# KiCad board pmi_2023.kicad_pcb
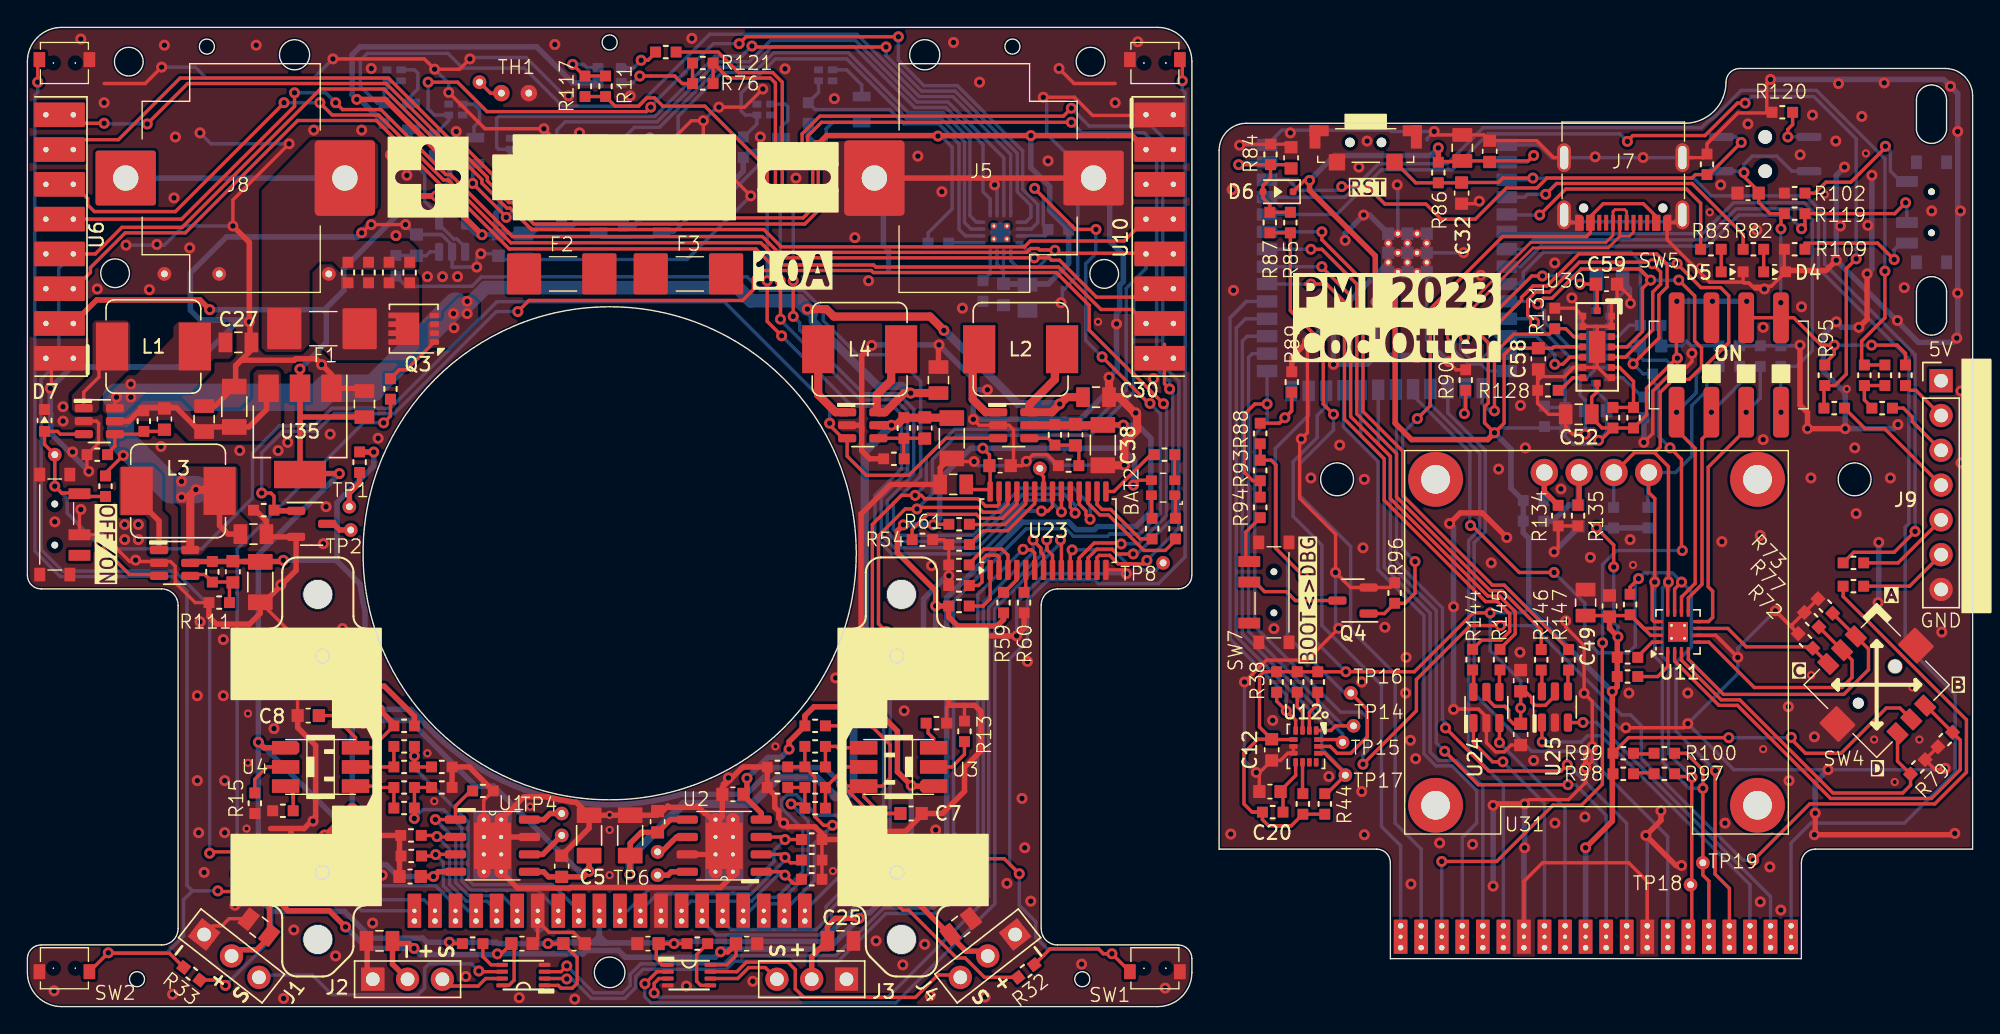
[diagram p0: board, top side]
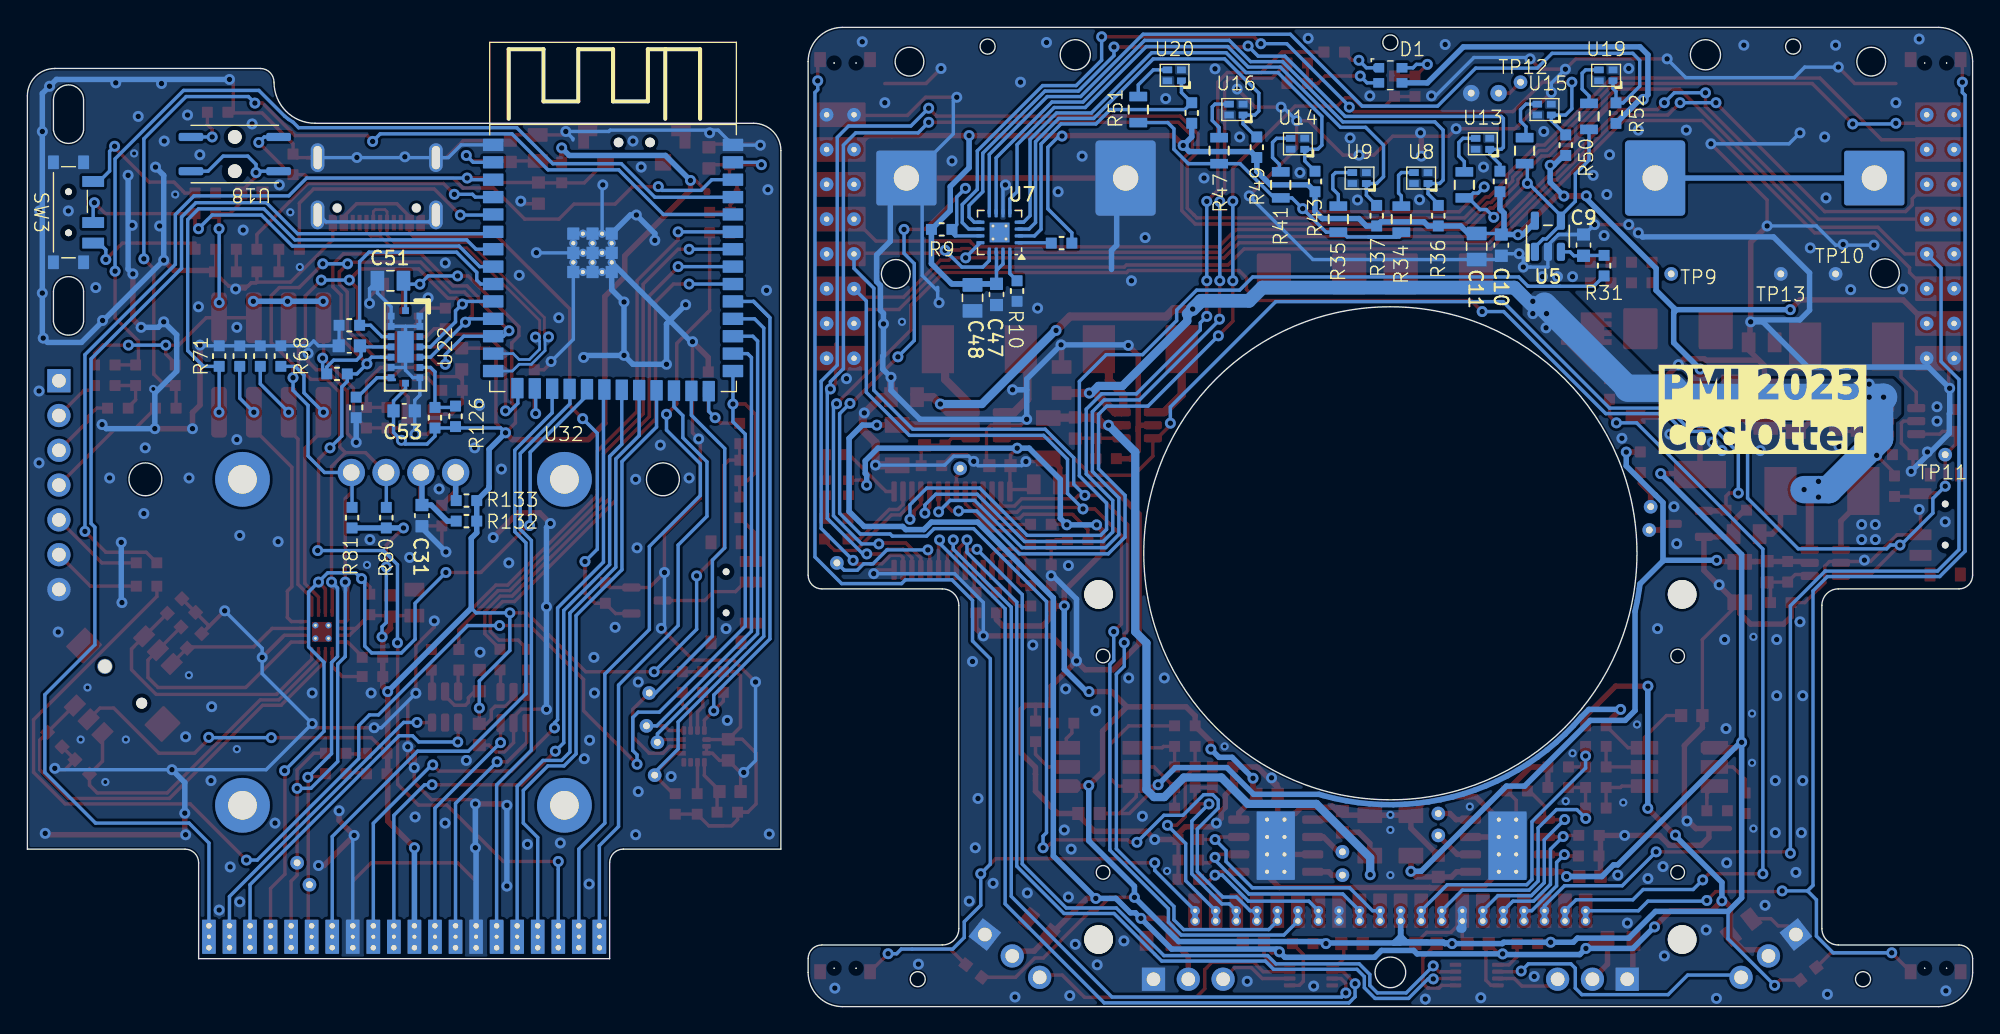
[diagram p1: board, bottom side, seen from below]

Outline 141.99 x 71.5 mm; copper layers: Top, Bottom. Coordinates in mm from the lower left corner of the outline.
Outline path: circle c6.4,53.55 r1.05 ; circle c7.4,69 r1.05 ; circle c8,2 r0.55 ; circle c13.1,70.1 r0.55 ; circle c19.5,69.5 r1.1 ; circle c21.53,25.6 r0.5 ; circle c21.53,9.8 r0.5 ; circle c42.5,70.4 r0.55 ; circle c42.5,33.1 r18 ; circle c42.5,2.5 r1.12 ; circle c63.47,25.6 r0.5 ; circle c63.47,9.8 r0.5 ; circle c65.5,69.5 r1.1 ; circle c71.9,70.1 r0.55 ; circle c77,2 r0.55 ; circle c77.6,69 r1.05 ; circle c78.6,53.5 r1.05 ; circle c95.6,38.5 r1.2 ; circle c133.38,38.5 r1.2 ; 0,69 arc(0.73,70.77) 2.5,71.5 82.5,71.5 arc(84.27,70.77) 85,69 85,31.5 arc(84.71,30.79) 84,30.5 75.2,30.5 arc(74.35,30.15) 74,29.3 74,5.7 arc(74.35,4.85) 75.2,4.5 84,4.5 arc(84.71,4.21) 85,3.5 85,2.5 arc(84.27,0.73) 82.5,0 2.5,0 arc(0.73,0.73) 0,2.5 0,3.5 arc(0.29,4.21) 1,4.5 9.8,4.5 arc(10.65,4.85) 11,5.7 11,29.3 arc(10.65,30.15) 9.8,30.5 1,30.5 arc(0.29,30.79) 0,31.5 0,69 ; 86.99,62.5 arc(87.57,63.91) 88.99,64.5 120.99,64.5 arc(123.11,65.38) 123.99,67.5 arc(124.28,68.21) 124.99,68.5 139.99,68.5 arc(141.4,67.91) 141.99,66.5 141.99,11.5 130.49,11.5 arc(129.78,11.21) 129.49,10.5 129.49,3.5 99.49,3.5 99.49,10.5 arc(99.2,11.21) 98.49,11.5 86.99,11.5 86.99,62.5 ; 137.89,66.2 137.89,64 arc(138.99,63.03) 140.09,64 140.09,66.2 arc(138.99,67.3) 137.89,66.2 ; 137.89,52.2 137.89,50 arc(138.99,49.03) 140.09,50 140.09,52.2 arc(138.99,53.3) 137.89,52.2
Stack: Top 0.035mm / dielectric 1.51mm FR4 er 4.5 / Bottom 0.035mm

## Placement (name value [footprint] x y rotation side)
BAT2  -  [NH-B2020RGBA-HF]  82.9 37.89 180 top
C1  100nF 50V  [C_0603_1608Metric]  27.94 9.5 180 top
C2  100nF 50V  [C_0603_1608Metric]  51.5 15.5 180 top
C3  100nF 50V  [C_0603_1608Metric]  39 10.25 90 top
C4  100nF 50V  [C_0603_1608Metric]  46 13.5 90 top
C5  47µF 10V  [C_1206_3216Metric]  41 12.5 90 top
C6  47µF 10V  [C_1206_3216Metric]  44 12.5 90 top
C7  100nF 50V  [C_0603_1608Metric]  64.5 14.1 0 top
C8  100nF 50V  [C_0603_1608Metric]  20.5 21.25 180 top
C9  100nF 50V  [C_0603_1608Metric]  28.4 55.6 90 bottom
C10  100nF 50V  [C_0603_1608Metric]  34.4 55.6 270 bottom
C11  10µF 25V  [C_0805_2012Metric]  36.2 55.5 270 bottom
C12  100nF 50V  [C_0603_1608Metric]  90.83 18.75 270 top
C13  100nF 50V  [C_0603_1608Metric]  71 39.5 0 top
C14  10µF 25V  [C_0805_2012Metric]  67.58 38.13 180 top
C15  100nF 50V  [C_0603_1608Metric]  39.9 4.6 0 top
C16  100nF 50V  [C_0603_1608Metric]  109 23.8 90 top
C17  100nF 50V  [C_0603_1608Metric]  45.3 4.6 180 top
C18  100nF 50V  [C_0603_1608Metric]  109 19.88 270 top
C19  100nF 50V  [C_0603_1608Metric]  36.1 4.6 0 top
C20  100nF 50V  [C_0603_1608Metric]  90.7 15.7 180 top
C21  100nF 50V  [C_0603_1608Metric]  52.5 4.6 0 top
C23  10µF 25V  [C_0805_2012Metric]  16.9 5.8 142 top
C24  10µF 25V  [C_0805_2012Metric]  25.7 4.8 180 top
C25  10µF 25V  [C_0805_2012Metric]  59.35 4.8 0 top
C26  10µF 25V  [C_0805_2012Metric]  68.12 5.85 38 top
C27  10µF 25V  [C_0805_2012Metric]  15.4 48.5 0 top
C28  100nF 50V  [C_0603_1608Metric]  125.6 59.4 180 top
C29  2nF 50V  [C_0603_1608Metric]  10 42.9 270 top
C30  10µF 25V  [C_0805_2012Metric]  78 44.5 0 top
C31  100nF 50V  [C_0603_1608Metric]  113.19 35.85 270 bottom
C32  100nF 50V  [C_0603_1608Metric]  104.69 59.4 270 top
C33  100nF 50V  [C_0603_1608Metric]  92.24 61.97 90 top
C34  100nF 50V  [C_0603_1608Metric]  106.74 62.45 90 top
C35  10µF 25V  [C_0805_2012Metric]  104.74 62.7 90 top
C36  47µF 10V  [C_1206_3216Metric]  15.1 43.8 90 top
C37  2nF 50V  [C_0603_1608Metric]  76.5 41.75 270 top
C38  47µF 10V  [C_1206_3216Metric]  78.5 41 270 top
C39  10µF 25V  [C_0805_2012Metric]  16.5 34.5 0 top
C40  10µF 25V  [C_0805_2012Metric]  66.5 45.75 90 top
C41  2nF 50V  [C_0603_1608Metric]  15 31.75 270 top
C42  2nF 50V  [C_0603_1608Metric]  65.5 42.25 270 top
C43  47µF 10V  [C_1206_3216Metric]  17 31 270 top
C44  47µF 10V  [C_1206_3216Metric]  67.47 41.5 270 top
C45  10µF 25V  [C_0805_2012Metric]  12.9 42.9 90 top
C46  10µF 25V  [C_0805_2012Metric]  24.6 44 90 top
C47  100nF 50V  [C_0603_1608Metric]  71.25 52 270 bottom
C48  10µF 25V  [C_0805_2012Metric]  73 51.75 270 bottom
C49  10µF 25V  [C_0805_2012Metric]  113.74 29.5 90 top
C50  100nF 50V  [C_0603_1608Metric]  115.49 29.25 90 top
C51  10µF 25V  [C_0805_2012Metric]  115.49 53 0 bottom
C52  10µF 25V  [C_0805_2012Metric]  113.24 43.25 180 top
C53  100nF 50V  [C_0603_1608Metric]  114.49 43.5 180 bottom
C57  100nF 50V  [C_0603_1608Metric]  118.49 48.25 0 bottom
C58  100nF 50V  [C_0603_1608Metric]  110.29 47.3 270 top
C59  100nF 50V  [C_0603_1608Metric]  115.26 52.75 0 top
D1  -  [NH-B2020RGBA-HF]  42.5 68 180 bottom
D4  green, 0603  [LED_0603_1608Metric]  127.54 53.65 180 top
D5  green, 0603  [LED_0603_1608Metric]  124.44 53.65 180 top
D6  1N5819WS  [D_SOD-323F]  91.29 59.5 180 top
D7  green, 0603  [LED_0603_1608Metric]  1.25 42.8 270 top
F1  10A F  [JFC2410]  21.5 49.5 0 top
F2  10A F  [JFC2410]  39 53.5 0 top
F3  10A F  [JFC2410]  48.25 53.5 0 top
H1  MountingHole  [MountingHole_2.1mm]  21.2 30.1 0 top
H2  MountingHole  [MountingHole_2.1mm]  21.2 4.9 0 top
H3  MountingHole  [MountingHole_2.1mm]  63.8 30.1 0 top
H4  MountingHole  [MountingHole_2.1mm]  63.8 4.9 0 top
J1  con_servo  [ana_servo_5V]  14.9 3.7 52 top
J2  con_servo  [ana_servo_5V]  27.75 2 90 top
J3  con_servo  [ana_servo_5V]  57.25 2 270 top
J4  con_servo  [ana_servo_5V]  70.1 3.7 308 top
J5  -  [254]  69.62 60.5 0 top
J7  USB4105-GF-A-060  [USB4105]  116.49 64.59 180 top
J8  -  [254]  15.38 60.5 180 top
J9  ~  [eps32_uart_programmer]  139.69 45.7 0 top  (not fitted)
J49  ~  [pmi_2023_interconnection_top]  114.49 5.1 0 top  (not fitted)
J50  ~  [pmi_2023_interconnection]  42.5 7 0 top  (not fitted)
L1  2.2µH  [L_Kyocera_07A7_7.3x6.6mm]  9.2 48.2 180 top
L2  2.2µH  [L_Kyocera_07A7_7.3x6.6mm]  72.5 48 180 top
L3  2.2µH  [L_Kyocera_07A7_7.3x6.6mm]  11 37.65 180 top
L4  2.2µH  [L_Kyocera_07A7_7.3x6.6mm]  60.75 48 180 top
Q1  SI2310  [SOT-23-3]  20.75 35.25 0 top
Q3  DMP2008UFG-7  [Diodes_PowerDI3333-8]  28.2 49.5 180 top
Q4  SI2310  [SOT-23-3]  96.76 29.65 180 top
R1  91k 1%  [r0603_reflow]  28 12.5 180 top
R2  91k 1%  [r0603_reflow]  57.25 10.7 0 top
R3  91k 1%  [r0603_reflow]  28.02 11 180 top
R4  91k 1%  [r0603_reflow]  57.25 12.2 0 top
R5  91k 1%  [r0603_reflow]  17.25 36.25 180 top
R6  3k3 1%  [r0603_reflow]  57.25 9.3 0 top
R7  3k3 1%  [r0603_reflow]  33.25 15.75 0 top
R8  0R  [r0603_reflow]  24.25 39.75 90 top
R9  91k 1%  [r0603_reflow]  75.25 56.75 180 bottom
R10  0R  [r0603_reflow]  69.75 52.25 270 bottom
R11  100R  [r0603_reflow]  42.2 67.2 90 top
R12  91k 1%  [r0603_reflow]  66.5 55.75 0 bottom
R13  390R 1%  [r0603_reflow]  68.4 20.1 90 top
R14  470R 1%  [r0603_reflow]  66.35 20.7 0 top
R15  390R 1%  [r0603_reflow]  16.6 14.85 270 top
R16  470R 1%  [r0603_reflow]  18.65 14.3 180 top
R17  0R  [r0603_reflow]  57.5 16 180 top
R18  1k3 1%  [r0603_reflow]  54.75 16 180 top
R19  1k 1%  [r0603_reflow]  57.5 14.49 180 top  (not fitted)
R20  0R  [r0603_reflow]  27.5 19 0 top
R21  1k3 1%  [r0603_reflow]  30.25 17.5 0 top
R22  0R  [r0603_reflow]  57.5 17.5 180 top
R23  1k3 1%  [r0603_reflow]  54.75 17.5 180 top
R24  1k 1%  [r0603_reflow]  27.5 17.5 0 top  (not fitted)
R25  1k 1%  [r0603_reflow]  57.5 19 180 top  (not fitted)
R26  0R  [r0603_reflow]  27.5 16 0 top
R27  1k3 1%  [r0603_reflow]  30.25 16 0 top
R28  1k 1%  [r0603_reflow]  27.5 14.5 0 top  (not fitted)
R29  0R  [r0603_reflow]  27.5 20.5 0 top  (not fitted)
R30  0R  [r0603_reflow]  57.5 20.5 180 top
R31  91k 1%  [r0603_reflow]  26.9 54.1 90 bottom
R32  91k 1%  [r0603_reflow]  72.9 2.6 38 top
R33  91k 1%  [r0603_reflow]  12 2.4 142 top
R34  150R 1%  [r0805_reflow]  41.7 57.5 90 bottom
R35  150R 1%  [r0805_reflow]  46.3 57.5 90 bottom
R36  27k 1%  [r0603_reflow]  39 57.75 90 bottom
R37  27k 1%  [r0603_reflow]  43.5 57.75 90 bottom
R38  91k 1%  [r0603_reflow]  91.19 23.7 270 top
R39  91k 1%  [r0603_reflow]  93.1 14.8 90 top
R40  150R 1%  [r0805_reflow]  37.1 60 90 bottom
R41  150R 1%  [r0805_reflow]  50.5 60 90 bottom
R42  27k 1%  [r0603_reflow]  34.5 60.25 90 bottom
R43  27k 1%  [r0603_reflow]  48 60.25 90 bottom
R44  91k 1%  [r0603_reflow]  94.7 14.8 90 top
R45  91k 1%  [r0603_reflow]  92.69 23.7 270 top
R46  150R 1%  [r0805_reflow]  32.7 62.5 90 bottom
R47  150R 1%  [r0805_reflow]  55 62.5 90 bottom
R48  27k 1%  [r0603_reflow]  29.7 62.9 90 bottom
R49  27k 1%  [r0603_reflow]  52.25 62.75 90 bottom
R50  150R 1%  [r0805_reflow]  28 65 90 bottom
R51  150R 1%  [r0805_reflow]  60.9 65.5 90 bottom
R52  27k 1%  [r0603_reflow]  26.03 65.24 90 bottom
R53  27k 1%  [r0603_reflow]  57 65.25 90 bottom
R54  0R  [r0603_reflow]  65.33 34.09 0 top
R55  0R  [r0603_reflow]  68.01 33.74 180 top
R56  0R  [r0603_reflow]  68 30.75 180 top
R57  0R  [r0603_reflow]  68 29.25 0 top
R58  0R  [r0603_reflow]  68 32.25 180 top
R59  0R  [r0603_reflow]  71.25 29.5 90 top
R60  0R  [r0603_reflow]  72.75 29.5 270 top
R61  0R  [r0603_reflow]  68.01 35.22 0 top
R62  100R  [r0603_reflow]  82.1 34.9 270 top
R63  100R  [r0603_reflow]  83 40.3 180 top
R64  390R 1%  [r0603_reflow]  83.8 34.9 270 top
R65  0R  [r0603_reflow]  26.5 45.1 270 top
R66  68k 1%  [r0603_reflow]  8.5 42.75 270 top
R67  91k 1%  [r0603_reflow]  75 41.75 270 top
R68  91k 1%  [r0603_reflow]  123.49 47.5 90 bottom
R69  91k 1%  [r0603_reflow]  124.99 47.5 90 bottom
R70  91k 1%  [r0603_reflow]  126.49 47.5 90 bottom
R71  91k 1%  [r0603_reflow]  127.99 47.5 90 bottom
R72  91k 1%  [r0603_reflow]  129.79 26.7 135 top
R73  91k 1%  [r0603_reflow]  131.24 29.25 135 top
R74  100R  [r0603_reflow]  46.6 69.7 180 top
R76  100R  [r0603_reflow]  49.3 67.4 180 top
R77  91k 1%  [r0603_reflow]  130.24 28.25 135 top
R78  91k 1%  [r0603_reflow]  139.99 19.5 225 top
R79  91k 1%  [r0603_reflow]  137.99 17.5 45 top
R80  1k 1%  [r0603_reflow]  115.79 35.7 90 bottom  (not fitted)
R81  1k 1%  [r0603_reflow]  118.29 35.7 90 bottom  (not fitted)
R82  1k 1%  [r0603_reflow]  125.99 55.3 0 top
R83  1k 1%  [r0603_reflow]  122.89 55.3 0 top
R84  91k 1%  [r0603_reflow]  90.74 62.22 270 top
R85  91k 1%  [r0603_reflow]  92.19 57.25 270 top  (not fitted)
R86  91k 1%  [r0603_reflow]  102.99 60.9 270 top
R87  91k 1%  [r0603_reflow]  90.69 57.25 270 top
R88  91k 1%  [r0603_reflow]  89.99 41.85 90 top  (not fitted)
R89  91k 1%  [r0603_reflow]  92.29 45.6 90 top
R90  91k 1%  [r0603_reflow]  104.99 45.75 90 top
R91  1k 1%  [r0603_reflow]  134.09 46.1 270 top
R92  1k 1%  [r0603_reflow]  135.59 46.1 270 top
R93  91k 1%  [r0603_reflow]  89.99 39.15 270 top
R94  10k 1%  [r0603_reflow]  89.99 36.45 270 top
R95  91k 1%  [r0603_reflow]  131.2 46.1 270 top
R96  91k 1%  [r0603_reflow]  99.8 30.2 90 top
R97  1k 1%  [r0603_reflow]  119.49 17 0 top
R98  1k 1%  [r0603_reflow]  116.49 17 0 top
R99  1k 1%  [r0603_reflow]  116.49 18.5 0 top
R100  1k 1%  [r0603_reflow]  119.49 18.5 0 top
R101  91k 1%  [r0603_reflow]  94.19 23.7 270 top
R102  0R  [r0603_reflow]  129 59.4 180 top  (not fitted)
R103  0R  [r0603_reflow]  26.4 53.6 270 top  (not fitted)
R104  0R  [r0603_reflow]  23.4 53.6 270 top  (not fitted)
R105  0R  [r0603_reflow]  27.9 53.6 270 top  (not fitted)
R106  0R  [r0603_reflow]  24.9 53.6 270 top  (not fitted)
R107  10k 1%  [r0603_reflow]  5.1 40.3 180 top
R108  10k 1%  [r0603_reflow]  76 39.5 180 top
R109  0R  [r0603_reflow]  129 55.3 180 top
R110  91k 1%  [r0603_reflow]  13.5 31.75 270 top
R111  10k 1%  [r0603_reflow]  14 29.5 180 top
R112  91k 1%  [r0603_reflow]  63.97 42.25 270 top
R113  10k 1%  [r0603_reflow]  63.25 40 180 top
R114  1k 1%  [r0603_reflow]  5.7 38 270 top
R115  91k 1%  [r0603_reflow]  116.99 29.36 90 top
R116  91k 1%  [r0603_reflow]  116.8 24.1 0 top
R117  100R  [r0603_reflow]  40.7 67.2 90 top
R118  0R  [r0603_reflow]  116.8 25.5 0 top
R119  91k 1%  [r0603_reflow]  129 57.9 0 top
R120  390R 1%  [r0603_reflow]  128.1 65.3 180 top
R121  100R  [r0603_reflow]  49.3 68.9 180 top
R122  10k 1%  [r0603_reflow]  122.6 61.5 90 top
R123  10k 1%  [r0603_reflow]  119.39 46.2 180 bottom
R124  10k 1%  [r0603_reflow]  117.99 43.75 270 bottom
R125  91k 1%  [r0603_reflow]  112.24 43 90 bottom
R126  91k 1%  [r0603_reflow]  110.74 43.1 90 bottom
R127  91k 1%  [r0603_reflow]  118.49 49.75 0 bottom
R128  10k 1%  [r0603_reflow]  110.99 45 180 top
R129  91k 1%  [r0603_reflow]  117.24 43 90 top
R130  91k 1%  [r0603_reflow]  115.74 43 90 top
R131  91k 1%  [r0603_reflow]  111.49 50.25 90 top
R132  0R  [r0603_reflow]  109.94 35.45 180 bottom  (not fitted)
R133  0R  [r0603_reflow]  109.94 36.95 180 bottom  (not fitted)
R134  0R  [r0603_reflow]  111.74 35.85 90 top
R135  0R  [r0603_reflow]  113.19 35.85 270 top
R136  0R  [r0603_reflow]  131.89 43.7 0 top
R137  0R  [r0603_reflow]  135.39 43.7 0 top
R138  0R  [r0603_reflow]  137.09 46.1 270 top
R139  390R 1%  [r0603_reflow]  133.29 32.4 0 top
R140  390R 1%  [r0603_reflow]  133.29 30.7 0 top
R141  0R  [r0603_reflow]  90.9 14.2 0 top
R142  0R  [r0603_reflow]  32.5 4.6 0 top
R143  0R  [r0603_reflow]  48.9 4.6 0 top
R144  100R  [r0603_reflow]  105.49 25.34 90 top
R145  100R  [r0603_reflow]  107.49 25.34 90 top
R146  100R  [r0603_reflow]  110.5 25.33 90 top
R147  100R  [r0603_reflow]  112.5 25.33 90 top
SW1  -  [ESE58R11B]  82.3 2.8 180 top
SW2  -  [ESE58L11B]  2.7 2.8 180 top
SW3  -  [MSS12C02LS-BB2.0]  138.99 58 270 bottom
SW4  -  [TM-4175-B-A]  134.99 23.5 135 top
SW5  -  [HAD-04HWAG-2]  124.19 46.85 0 top
SW6  -  [ESE58L11B]  82.3 68.9 0 top
SW7  -  [MSS12C02LS-BB2.0]  90.99 30.25 90 top
SW8  -  [MSS12C02LS-BB2.0]  2 35.2 270 top
SW9  -  [ESE58R11B]  2.7 68.9 0 top
SW10  -  [TSB001A3526A02]  97.69 63.1 0 top
TH1  NRNE104H3435B2H  [CTN-NRN]  35.6 66.7 0 top
TP1  TestPoint  [testpoint-THT-0.5mm]  23.5 36.5 0 top
TP2  TestPoint  [testpoint-THT-0.5mm]  23.6 34.8 0 top
TP3  TestPoint  [testpoint-THT-0.5mm]  39 12.5 180 top
TP4  TestPoint  [testpoint-THT-0.5mm]  39 14.1 180 top
TP5  TestPoint  [testpoint-THT-0.5mm]  46 11.3 0 top
TP6  TestPoint  [testpoint-THT-0.5mm]  46 9.6 0 top
TP7  TestPoint  [testpoint-THT-0.5mm]  73.9 39.3 0 top
TP8  TestPoint  [testpoint-THT-0.5mm]  82.9 32.4 0 top
TP9  TestPoint  [testpoint-THT-0.5mm]  22 53.5 180 bottom
TP10  TestPoint  [testpoint-THT-0.5mm]  10 53.5 180 bottom
TP11  TestPoint  [testpoint-THT-0.5mm]  2 40.3 180 bottom
TP12  TestPoint  [testpoint-THT-0.5mm]  33 67.5 180 bottom
TP13  TestPoint  [testpoint-THT-0.5mm]  14 53.5 180 bottom
TP14  TestPoint  [testpoint-THT-0.5mm]  96.8 20.5 0 top
TP15  TestPoint  [testpoint-THT-0.5mm]  96 19.3 0 top
TP16  TestPoint  [testpoint-THT-0.5mm]  96.6 22.9 0 top
TP17  TestPoint  [testpoint-THT-0.5mm]  96.2 16.9 0 top
TP18  TestPoint  [testpoint-THT-0.5mm]  121.4 8.9 90 top
TP19  TestPoint  [testpoint-THT-0.5mm]  122.3 10.5 90 top
U1  DRV8231ADDAR  [DDA0008B]  33.95 11.75 0 top
U2  DRV8231ADDAR  [DDA0008B]  50.87 11.75 180 top
U3  -  [EESX1321]  63.6 17.5 180 top
U4  -  [EESX1321]  21.4 17.5 0 top
U5  AD8531ARTZ  [SOT-23-5]  31 56.25 90 bottom
U6  tof_sensor_master  [tof_sensor_male]  2.35 56.23 90 top
U7  TCA6408ARGTR  [VQFN-16-1EP_3x3mm_P0.5mm_EP1.1x1.1mm]  71.03 56.53 0 bottom
U8  ITR1204SR10A/TR  [ITR1204SR10A]  40.25 60.5 180 bottom
U9  ITR1204SR10A/TR  [ITR1204SR10A]  44.75 60.5 180 bottom
U10  tof_sensor_master  [tof_sensor_male]  82.65 56.23 270 top
U11  TCA6408ARGTR  [VQFN-16-1EP_3x3mm_P0.5mm_EP1.1x1.1mm]  120.49 27.36 90 top
U12  LSM6DSO32XTR  [LGA-14_3x2.5mm_P0.5mm_LayoutBorder3x4y]  93.33 19 270 top
U13  ITR1204SR10A/TR  [ITR1204SR10A]  35.75 63 180 bottom
U14  ITR1204SR10A/TR  [ITR1204SR10A]  49.25 63 180 bottom
U15  ITR1204SR10A/TR  [ITR1204SR10A]  31.25 65.5 180 bottom
U16  ITR1204SR10A/TR  [ITR1204SR10A]  53.75 65.5 180 bottom
U17  SN74LVC2T45DCU  [VSSOP-8-DCU]  48.3 2.3 0 top
U18  -  [RPI-0352E]  126.85 62.25 0 bottom
U19  ITR1204SR10A/TR  [ITR1204SR10A]  26.75 68 180 bottom
U20  ITR1204SR10A/TR  [ITR1204SR10A]  58.25 68 180 bottom
U21  SN74LVC2T45DCU  [VSSOP-8-DCU]  36.2 2.3 180 top
U22  VL53L5CXV0GC  [VL53L5CX]  114.49 50.5 270 bottom
U23  PCA9685PW  [TSSOP-28_4.4x9.7mm_P0.65mm]  74.5 34.75 90 top
U24  SN74LVC2G17DBV  [SOT-23-6]  106.5 21.84 90 top
U25  SN74LVC2G17DBV  [SOT-23-6]  111.5 21.88 90 top
U28  TLV61070A  [SOT-23-6]  5.25 42.75 0 top
U29  TLV61070A  [SOT-23-6]  72 42.45 0 top
U30  VL53L5CXV0GC  [VL53L5CX]  114.49 50.5 270 top
U31  ~  [OLED_0.96inch]  114.54 26.6 0 top  (not fitted)
U32  -  [ESP32-S3-WROOM-1]  99.24 54.67 180 bottom
U33  TLV61070A  [SOT-23-6]  10.75 32.4 0 top
U34  TLV61070A  [SOT-23-6]  60.97 42.45 0 top
U35  LDL1117S33R  [SOT-223]  19.9 42 270 top

## Library data of the parts
BAT2 D1 = -: Description: RGB LED 2.1mm x 2.1mm; JLCPCB Part #: C2874116
C1-C4 C7-C10 C12 C13 C15-C21 C28 C31-C34 C47 C50 C53 C57-C59 = -: Description: Unpolarized capacitor tol +/-10%; Specification: 100nF 50V X7R 0603; JLCPCB Part #: C14663; ki_fp_filters: C_*
C5 C6 C36 C38 C43 C44 = -: Description: Unpolarized capacitor; Specification: 47µF 10V X5R 1206; JLCPCB Part #: C96123; ki_fp_filters: C_*
C11 C14 C23-C27 C30 C35 C39 C40 C45 C46 C48 C49 C51 C52 = -: Description: Unpolarized capacitor; Specification: 10µF 25V X7R 0805; JLCPCB Part #: C15850; ki_fp_filters: C_*
C29 C37 C41 C42 = -: Description: Unpolarized capacitor tol +/-10%; Specification: 2nF 50V X7R 0603; JLCPCB Part #: C282245; ki_fp_filters: C_*
D4 D5 D7 = -: Description: Light emitting diode, Green, Vf=[2V; 2.4V]; DIGIKEY_REF: 3147-B19Y1UYG-20C000313U1930CT-ND; MOUSER_REF: 710-150060VS55040; JLCPCB Part #: C22371299; ki_fp_filters: LED* LED_SMD:* LED_THT:*
D6 = -: JLCPCB: C191023; Sim.Device: D; Sim.Pins: 1=K 2=A; specification: Vfmax=.25V@10mA, Ifmax = 1A, VR max = 40V; ki_fp_filters: D*SOD?323*
F1-F3 = -: Datasheet: https://datasheet.lcsc.com/lcsc/2305151203_Shenzhen-JDT-Fuse-JFC2410-2100FS_C136374.pdf; Description: 10A fuse, 125V AC,  6.6mOhms, I²t 118.38 A².s; JLCPCB Part #: C136374
H1-H4 = -: Description: Mounting Hole without connection; ki_fp_filters: MountingHole*
J1-J4 = -: Description: Generic connector, single row, 01x03, script generated; JLCPCB Part #: C2932698; ki_fp_filters: Connector*:*_1x??_*
J5 J8 = -: Description: SMD battery clip Keystone; JLCPCB Part #: C2979182; ki_fp_filters: Connector*:*_1x??_*
J7 = -: Datasheet: https://www.usb.org/sites/default/files/documents/usb_type-c.zip; Description: USB-C receptacle, SMD; DIGIKEY_REF: 2073-USB4105-GF-A-060TR-ND; JLCPCB Part #: C2927039; ki_fp_filters: USB*C*Receptacle*
J9 = -: JLCPCB Part #: C492406
L1-L4 = -: Datasheet: https://www.mouser.fr/datasheet/2/40/LMLPD-3165140.pdf; Description: 2.2 µH, Idc 8A, Isat 12A, DCR 17 mOhms; MOUSER: 581-LMLP07A7M2R2DTAS
Q1 Q4 = -: JLCPCB Part #: C2938374
Q3 = -: Datasheet: cocotter_transistors:Diodes_PowerDI3333-8; Description: PMOS, ID MAX -10A @ Vgs=2.5V, 9.8mOhms@Vgs=2.5V, Vgs max 8V, VDS max 20V; JLCPCB Part #: C461052
R1-R5 R9 R12 R31-R33 R38 R39 R44 R45 R67-R73 R77-R79 R84-R86 R88-R90 R93 R95 R96 R101 R110 R112 R115 R116 R119 R125-R127 R129-R131 = -: Description: Resistor; Specification: 91k 0603 1% 100mW; JLCPCB Part #: C23265; ki_fp_filters: R_*
R6 R7 = -: Description: Resistor; Specification: 3k3 0603 1% 100mW; JLCPCB Part #: C22978; ki_fp_filters: R_*
R8 R10 R17 R20 R22 R26 R29 R30 R54-R61 R65 R102-R106 R109 R118 R132-R138 R141-R143 = -: Description: Resistor; Specification: 0R 0603 20mOhms max 100mW; JLCPCB Part #: C431718; ki_fp_filters: R_*
R11 R74 R76 R117 R121 R144-R147 = -: Description: Resistor; Specification: 100R 0603 1% 100mW; JLCPCB Part #: C22775; ki_fp_filters: R_*
R13 R15 R139 R140 = -: Description: Resistor; Specification: 390R 0603 1% 100mW; JLCPCB Part #: C23151; ki_fp_filters: R_*
R14 R16 = -: Description: Resistor; Specification: 470R 0603 1% 100mW; JLCPCB Part #: C23179; ki_fp_filters: R_*
R18 R21 R23 R27 = -: Description: Resistor; Specification: 1k3 0603 1% 100mW; JLCPCB Part #: C22767; ki_fp_filters: R_*
R19 R24 R25 R28 R80-R83 R91 R92 R97-R100 R114 = -: Description: Resistor; Specification: 10k 0603 1% 100mW; mouser: 603-RC0603FR-10100KL; JLCPCB Part #: C2991540; ki_fp_filters: R_*
R34 R35 R40 R41 R46 R47 R50 R51 = -: Description: Resistor; Specification: 150R 0805 1% 100mW; JLCPCB Part #: C17471; ki_fp_filters: R_*
R36 R37 R42 R43 R48 R49 R52 R53 = -: Description: Resistor; Specification: 27k 0603 1% 100mW; JLCPCB Part #: C22967; ki_fp_filters: R_*
R62 R63 = -: Description: Resistor; Specification: 100R 0603 1% 100mW; mouser: 603-RC0603FR-10100KL; JLCPCB Part #: C22775; ki_fp_filters: R_*
R64 R120 = -: Description: Resistor; Specification: 390R 0603 1% 100mW; mouser: 603-RC0603FR-10100KL; JLCPCB Part #: C23151; ki_fp_filters: R_*
R66 = -: Description: Resistor; Specification: 68k 0603 1% 100mW; JLCPCB Part #: C23231; ki_fp_filters: R_*
R87 = -: Description: Resistor; Specification: 91k 0603 1% 100mW; mouser: 603-RC0603FR-10100KL; JLCPCB Part #: C23265; ki_fp_filters: R_*
R94 R107 R108 R111 R113 R122-R124 R128 = -: Description: Resistor; Specification: 10k 0603 1% 100mW; mouser: 603-RC0603FR-10100KL; JLCPCB Part #: C25804; ki_fp_filters: R_*
SW1 SW9 = -: Datasheet: https://www.lcsc.com/product-detail/Microswitches_Yuandi-TQ-2537A_C669819.html; Description: microswitch 50mA 12V SMD; Mouser: 667-ESE-22MH22; JLCPCB Part #: C388877
SW2 SW6 = -: Datasheet: https://www.lcsc.com/product-detail/microswitches_yuandi_tq-2537_C669818.html; Description: microswitch 50mA 12V SMD; Mouser: 667-ESE-22MH24; JLCPCB Part #: C2687661
SW3 SW7 SW8 = -: Datasheet: https://www.mouser.fr/datasheet/2/910/606_MSS614-1571571.pdf; Description: 100mA max, 12Vdc, 10000 cycles; JLCPCB: C3008585; JLCPCB Part #: C3008585
SW4 = -: Description: 5 dimensions switch with  center push, SMD; DIGIKEY_REF: 450-2425755-1TR-ND; JLCPCB Part #: C465995